# Altium PCB AMC_Box_Mainboard.PcbDoc (part 2 of 8) (continued)
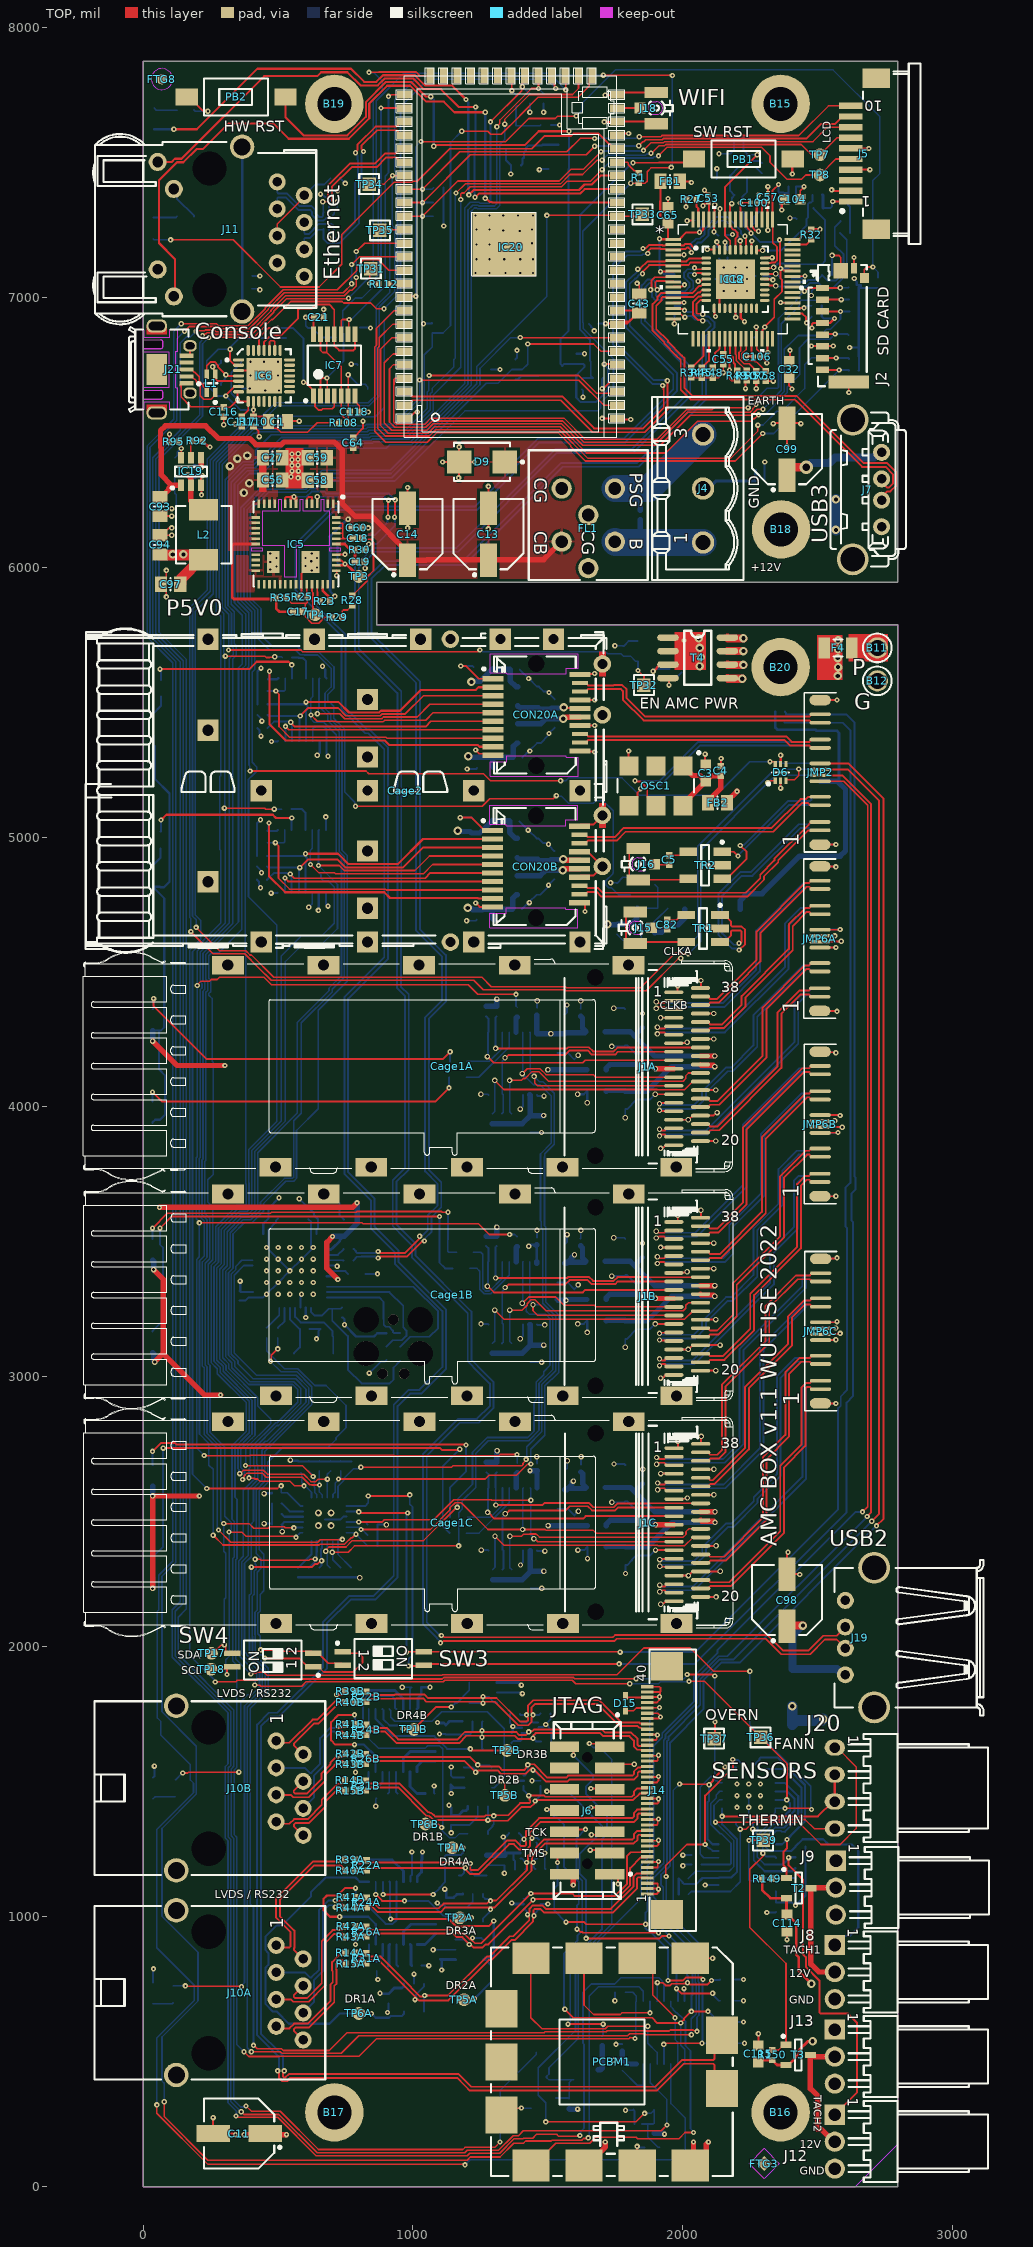
[diagram p0: TOP view]
## Footprints (in the part's own frame and the unit in brackets; to place one, negate y for a bottom-side part, rotate by r counter-clockwise, add the part's x,y. Pads: shape width x height; smd on the part's side, far side on the other; paste and mask are expansions set on the pad) (continued)
  rect 1x0.6 smd: 2(-1.15,-0.95) 3(1.15,-0.95) 4(1.15,0.95)
  silkscreen extent -1.52,-1.45 0.33,1.88, body extent -1.25,-1.5 1.25,1.5, height 1.1
SOTFL50P160X60-6N [mm] "SOTFL (SOT666), 0.50mm, Pitch; 6 Pin, 1.20mm W X 1.60mm L X 0.60mm H Body, IPC Medium Density"
  rect 0.57x0.3 smd: 1(-0.79,0.5) 2(-0.79,0) 3(-0.79,-0.5) 4(0.79,-0.5) 5(0.79,0) 6(0.79,0.5)
  silkscreen extent -1.23,-0.8 0,1.27, body extent -0.85,-0.85 0.85,0.85, height 0.6
SW_TYCO_1571983-1 [mm] "Pitch 1.27mm,  Body 3.66x6.2mm, 2 Ways SPST Surface-Mount DIP Switch, TYCO GDH Serie"
  rect 1.55x0.55 smd: 1(-3.8,0.635) 2(-3.8,-0.635) 3(3.8,-0.635) 4(3.8,0.635)
  silkscreen extent -4.42,-1.85 2.7,1.85, body extent -4.06,-1.83 4.06,1.83, height 2.36
TC2030-IDC [mm] "Tag-Connect 6-Pin with Legs (PN# TC2030-IDC-NL)"
  round 2.3 hole 2.375 unplated: 0(0,-2.54) 0(0,2.54) 0(3.175,-2.54) 0(3.175,2.54)
  round 0.991 hole 0.991 unplated: 0(0,0) 0(5.08,-1.016) 0(5.08,1.016)
  round 0.79 smd paste-0.39: 1(1.27,-0.635) 2(1.27,0.635) 3(2.54,-0.635) 4(2.54,0.635) 5(3.89,-0.635) 6(3.81,0.635)
  silkscreen extent -1.4,-3.94 5.72,3.94
TP [mm]
  round 1.2 smd: 1(0,0)
TPS127 [mil] "1.27 x  1.27mm SMD Test Point Area"
  rect 50x50 smd paste-50: 1(0,0)
  silkscreen extent -37,-37 37,37
TQFP64_10x10MC_MCH [mil]
  rect 58x11 smd paste+0 mask+0: 1(-221,147.64) 2(-221,127.95) 3(-221,108.27) 4(-221,88.58) 5(-221,68.9) 6(-221,49.21) 7(-221,29.53) 8(-221,9.84) 9(-221,-9.84) 10(-221,-29.53) 11(-221,-49.21) 12(-221,-68.9) 13(-221,-88.58) 14(-221,-108.27) 15(-221,-127.95) 16(-221,-147.64) 33(221,-147.64) 34(221,-127.95) 35(221,-108.27) 36(221,-88.58) 37(221,-68.9) 38(221,-49.21) 39(221,-29.53) 40(221,-9.84) 41(221,9.84) 42(221,29.53) 43(221,49.21) 44(221,68.9) 45(221,88.58) 46(221,108.27) 47(221,127.95) 48(221,147.64)
  rect 11x58 smd paste+0 mask+0: 17(-147.64,-221) 18(-127.95,-221) 19(-108.27,-221) 20(-88.58,-221) 21(-68.9,-221) 22(-49.21,-221) 23(-29.53,-221) 24(-9.84,-221) 25(9.84,-221) 26(29.53,-221) 27(49.21,-221) 28(68.9,-221) 29(88.58,-221) 30(108.27,-221) 31(127.95,-221) 32(147.64,-221) 49(147.64,221) 50(127.95,221) 51(108.27,221) 52(88.58,221) 53(68.9,221) 54(49.21,221) 55(29.53,221) 56(9.84,221) 57(-9.84,221) 58(-29.53,221) 59(-49.21,221) 60(-68.9,221) 61(-88.58,221) 62(-108.27,221) 63(-127.95,221) 64(-147.64,221)
  silkscreen extent -270,-270 270,270, body extent -236,-236 236,236, height 47
TYCO_5-6605308-1 [mm] "1 Port, Yellow/Green LEDs, RJ45 10/100Base-T Ethernet, Mag45 Connector Module With Integrated Magnetics"
  round 1.6 hole 0.9: 1(-4.445,-1.27) 2(-3.175,1.27) 3(-1.905,-1.27) 4(-0.635,1.27) 5(0.635,-1.27) 6(1.905,1.27) 7(3.175,-1.27) 8(4.445,1.27)
  round 2.3 hole 1.6: 9(-7.747,-4.572) 10(7.747,-4.572)
  round 1.7 hole 1: D1(-6.325,-12.522) D2(-3.785,-10.998) D3(6.325,-10.998) D4(3.785,-12.522)
  round 0.5 hole 3.2 unplated mask+1.35: M1(-5.715,-7.62) M2(5.715,-7.62)
  silkscreen extent -8.95,-18.59 8.95,2.41, body extent -8.95,-18.6 8.95,2.41, height 14.97
TYCO_292303-1 [mm] "4 Positions, Right Angle, USB Type A Receptacle"
  round 1.6 hole 0.9: 1(-3.5,0) 2(-1,0) 3(1,0) 4(3.5,0)
  round 3 hole 2.3: 5(-6.57,-2.71) 5(6.57,-2.71)
  silkscreen extent -7.31,-12.99 7.31,1.01, body extent -8.12,-12.99 8.12,1.01, height 7.66
TYCO_1551920-2 [mm] "38 Positions, Pitch 0.8mm zSFP+ Receptacle (Small Form-factor Pluggable)"
  rrect100% 1.8x0.35 smd: 1(-1.255,7) 2(-1.255,6.2) 3(-1.255,5.4) 4(-1.255,4.6) 5(-1.255,3.8) 6(-1.255,3) 7(-1.255,2.2) 8(-1.255,1.4) 9(-1.255,0.6) 10(-1.255,-0.2) 11(-1.255,-1) 12(-1.255,-1.8) 13(-1.255,-2.6) 14(-1.255,-3.4) 15(-1.255,-4.2) 16(-1.255,-5) 17(-1.255,-5.8) 18(-1.255,-6.6) 19(-1.255,-7.4) 20(1.255,-7) 21(1.255,-6.2) 22(1.255,-5.4) 23(1.255,-4.6) 24(1.255,-3.8) 25(1.255,-3) 26(1.255,-2.2) 27(1.255,-1.4) 28(1.255,-0.6) 29(1.255,0.2) 30(1.255,1) 31(1.255,1.8) 32(1.255,2.6) 33(1.255,3.4) 34(1.255,4.2) 35(1.255,5) 36(1.255,5.8) 37(1.255,6.6) 38(1.255,7.4)
  round 0.5 hole 1.55 unplated mask+0.525: MTG1(-8.625,8.4) MTG2(-8.625,-8.4)
  silkscreen extent -11.53,-9.1 0.97,9.1, body extent -11.52,-9.1 1.79,9.1, height 6.15
TYCO_1734366-1 [mm] "4 Position, Straight, USB 2.0 Type A Receptacle"
  round 1.6 hole 0.9: 1(-3.5,0) 2(-1,0) 3(1,0) 4(3.5,0)
  round 3 hole 2.3: 5(-6.57,-2.71) 5(6.57,-2.71)
  silkscreen extent -7.25,-4.82 7.25,2.3, body extent -7.9,-4.82 7.9,2.3, height 15
TYCO_1888247-1 [mm] "20 Position, Pitch 0.8mm SFP Receptacle (Small Form-factor Pluggable)"
  rect 2x0.5 smd: 1(-4.1,3.395) 2(-4.1,2.595) 3(-4.1,1.795) 4(-4.1,0.995) 5(-4.1,0.195) 6(-4.1,-0.605) 7(-4.1,-1.405) 8(-4.1,-2.205) 9(-4.1,-3.005) 10(-4.1,-3.805) 11(4.1,-3.405) 14(4.1,-1.005) 15(4.1,-0.205) 16(4.1,0.595) 17(4.1,1.395) 20(4.1,3.795)
  rect 1.5x0.4 smd: 12(4.1,-2.605) 13(4.1,-1.805) 18(4.1,2.195) 19(4.1,2.995)
  round 0.5 hole 1.55 unplated mask+0.525: MTG1(0,4.795) MTG2(0,-4.805)
  TOP keep-out lines w0.1: -4.34,-5.755 3.94,-5.755 3.94,-4.805 3.94,-3.995 2.78,-3.995 2.78,-3.855 -2.78,-3.855 -2.78,-4.395 -4.34,-4.395 -4.34,-5.755 ; -4.34,3.985 -2.78,3.985 -2.78,3.845 2.78,3.845 2.78,4.385 3.94,4.385 3.94,5.745 -4.34,5.745 -4.34,3.985
  silkscreen extent -42.4,-7.77 6.3,7.77, body extent -4.5,-5.5 4.5,5.5, height 5.22
TYCO_2007263-1 [mm] "SFP+ 1x2 Press Fit Cage with EMI Springs"
  rect 2x2 hole 1.05: 1(-30.9,14.25) 2(-20.9,14.25) 3(-10.9,14.25) 4(4.1,-14.25) 5(-5.9,-14.25) 6(-15.9,-14.25) 7(-25.9,-14.25) 8(-30.9,-8.575) 9(-30.9,5.675) 10(-15.9,8.575) 11(-15.9,3.175) 12(-15.9,-5.675) 13(-15.9,-11.075)
  round 1.65 hole 0.95: 14(-8.1,14.25) 17(6.2,11.925) 18(6.2,7.125) 19(6.2,-2.325) 20(6.2,-7.125) 21(-8.1,-14.25)
  rect 2x2 hole 0.95: 15(-3.4,14.25) 16(1.6,14.25) 22(4.1,0) 23(-5.9,0) 24(-15.9,0) 25(-25.9,0)
  TOP region: 5.9,-1.18 6.5,-1.18 6.5,-3.48 5.9,-3.48
  TOP region: 5.9,13.07 6.5,13.07 6.5,10.77 5.9,10.77
  silkscreen extent -42.4,-15.27 6.58,15.27, body extent -42.4,-15.27 6.58,15.27, height 10.6
TYCO_2170703-7 [mm] "QSFP Press Fit Cage"
  rect 3x1.75 hole 1.05: 1(-21.1,9.5) 2(-12.1,9.5) 3(-3.1,9.5) 4(5.9,9.5) 5(16.6,9.5) 6(21.1,-9.5) 7(10.4,-9.5) 8(1.4,-9.5) 9(-7.6,-9.5) 10(-16.6,-9.5)
  silkscreen extent -34.7,-10.72 26.42,10.72, body extent -34.7,-10.6 26.66,10.72, height 10.62
"WURTH_686 110 144 22" [mm] "10 Contacts, Pitch 1mm, SMT Connector, ZIF Horizontal Bottom Contact WR-FPC"
  rect 0.6x2.2 smd: 1(-4.5,0) 2(-3.5,0) 3(-2.5,0) 4(-1.5,0) 5(-0.5,0) 6(0.5,0) 7(1.5,0) 8(2.5,0) 9(3.5,0) 10(4.5,0)
  rect 1.8x2.6 smd: P1(-7.1,-2.4) P2(7.1,-2.4)
  silkscreen extent -8.5,-6.55 8.5,0.95, body extent -8.5,-6.55 8.5,0.55, height 3
XFMR_MINI-CIRCUITS_AT1521 [mm] "MINI-CIRCUITS RF Transformer, Case AT1521, Body 3.81X3.81mm"
  rect 0.76x1.65 smd: 1(-1.27,1.59) 2(0,1.59) 3(1.27,1.59) 4(1.27,-1.59) 6(-1.27,-1.59)
  silkscreen extent -2.3,-0.37 1.91,1.72, body extent -1.9,-1.9 1.91,1.91, height 4.06
XTAL_PERICOM_FL [mm] "4 Pins, 2.5x3.2mm, SMD Sealing Crystal, PERICOM FL Series"
  rect 1.2x1.5 smd: 1(-0.8,1.1) 2(-0.8,-1.1) 3(0.8,-1.1) 4(0.8,1.1)
  silkscreen extent -2.13,1.08 -1.88,1.32, body extent -1.25,-1.6 1.25,1.6, height 0.75
XTAL_TXC_7A [mm] "2 Pins, 3.2x5mm, SMD Glass Seam Sealing Crystal, 7A Serie"
  rect 1.7x2.4 smd: 1(-1.85,0) 2(1.85,0)
  silkscreen extent -2.3,-1.6 2.3,1.6, body extent -2.5,-1.6 2.5,1.6, height 1.2

## Part data
B11 B12: library part PLATED_HOLE1.5_PAD2.0, "Single Terminal Socket", Author="CERN DEM JLC", Component Type="Standard (No BOM)", ComponentHeight=0mm, CreateDate=30.10.2008, Family="Plated Hole", HelpURL=Undefined, LatestRevisionDate=30.10.2008, Mounted=No, PackageDescription="Plated Through Hole: Hole Dia.=1.5mm Pad Dia.=2.0mm, IPC-7251 Level C", Part Description="Plated Through Hole: Hole Dia.=1.5mm Pad Dia.=2.0mm, IPC-7251 Level C", Part Number=PLATED_HOLE1.5_PAD2.0, Pin Count=1, Sense=No, SMD=No, Socket=No, Status=None
B15 B16 B17 B18 B19 B20: library part PLATED_HOLE3.2_PAD5.5, "Single Terminal Socket", Author="CERN DEM JMW", Component Type="Standard (No BOM)", ComponentHeight=0mm, CreateDate=01.10.2012, Family="Plated Hole", HelpURL=Undefined, LatestRevisionDate=01.10.2012, Mounted=No, PackageDescription="Plated Through Hole: Hole Dia.=3.2mm Pad Dia.=5.5mm", Part Description="Plated Through Hole: Hole Dia.=3.2mm Pad Dia.=5.5mm", Part Number=PLATED_HOLE3.2_PAD5.5, Pin Count=1, Sense=No, SMD=No, Socket=No, Status=None
C1: library part CC0805_10UF_16V_10%_X5R, "Non-polarised capacitor", Case=0805, Manufacturer=GENERIC, Manufacturer1 ComponentHeight=1.4mm, Manufacturer1 Example=KEMET, Manufacturer1 Part Number=C0805C106K4PAC, Tolerance=±10%, Voltage=16V, Author="CERN DEM JLC", Component Type=Standard, CreateDate=03.12.2007, HelpURL=\\cern.ch\dfs\Applications\Altium\Datasheets\CC1206_X5R_KEMET.pdf, LatestRevisionDate=03.12.2007, Manufacturer Part Number=CC0805_10UF_16V_10%_X5R, Mounted=Yes, Part Description="SMD Multilayer Chip Ceramic Capacitor", Part Number=CC0805_10UF_16V_10%_X5R, Pin Count=2, Sense=No, SMD=Yes, Socket=No, Status=Preferred, TC=X5R
C2 C3 C10 C25A C25B C25C C33A C33B C33C C48A C48B: library part CC0603_1UF_25V_10%_X7R, "Non-polarised capacitor", Case=0603, Manufacturer=GENERIC, Manufacturer1 ComponentHeight=0.9mm, Manufacturer1 Example=MURATA, Manufacturer1 Part Number=GRM188R71E105KA12D, Tolerance=±10%, Voltage=25V, Author="CERN DEM JLC", Component Type=Standard, CreateDate=2011-01-18, HelpURL=\\cern.ch\dfs\Applications\Altium\Datasheets\CC0603_X7R_MURATA.pdf, LatestRevisionDate=2011-01-18, Manufacturer Part Number=CC0603_1UF_25V_10%_X7R, Mounted=Yes, Part Description="SMD Multilayer Chip Ceramic Capacitor", Part Number=CC0603_1UF_25V_10%_X7R, Pin Count=2, SMD=Yes, Socket=No, Status=None, Table="Capacitors SMD", TC=X7R
C4 C5 C6A C6B C7A C7B C8A C8B C9A C9B C18 C20 C21 C29 C30 C42 C44 C46A C46B C49A C49B C50A C50B C52A C52B C54 C60 C61 C63 C64 C67A C67B C69 C70A C70B C71A C71B C72A C72B C82 C88A C88B C92 C113 C116 C175: library part CC0402_100NF_16V_10%_X5R, "Non-polarised capacitor", Case=0402, Manufacturer=GENERIC, Manufacturer1 ComponentHeight=0.55mm, Manufacturer1 Example=MURATA, Manufacturer1 Part Number=GRM155R61C104KA88D, Tolerance=±10%, Voltage=16V, Author="CERN DEM JLC", Component Type=Standard, HelpURL=\\cern.ch\dfs\Applications\Altium\Datasheets\CC0402_X5R_MURATA_GRM.pdf, Manufacturer Part Number=CC0402_100NF_16V_10%_X5R, Mounted=Yes, Part Description="SMD Multilayer Chip Ceramic Capacitor", Part Number=CC0402_100NF_16V_10%_X5R, Pin Count=2, SMD=Yes, Socket=No, Status=None, TC=X5R
  C4 C6A C6B C7A C7B C8A C8B C9A C9B C20 C21 C46A C46B C49A C49B C50A C50B C52A C52B C54 C67A C67B C69 C70A C70B C71A C71B C72A C72B C88A C88B C113 C116 C175: CreateDate=10.12.2013, LatestRevisionDate=10.12.2013, Sense=No
  C5 C18 C29 C30 C42 C44 C60 C61 C63 C64 C82 C92: CreateDate=2013-12-10, LatestRevisionDate=2013-12-10, Table="Capacitors SMD"
C11 C13 C14 C98 C99: library part CAE660-540_100UF_16V_20%, "Polarised capacitor", Case=D, Manufacturer=PANASONIC, Manufacturer Part Number=EEEFK1C101AP, Tolerance=±20%, Voltage=16V, Author="CERN DEM JLC", Component Type=Standard, ComponentHeight=5.8mm, CreateDate=03.12.2007, HelpURL=\\cern.ch\dfs\Applications\Altium\Datasheets\CAE_PANASONIC_FK.pdf, LatestRevisionDate=05.11.2014, Mounted=Yes, Part Description="Aluminum Electrolytic SMT Capacitor", Part Number=CAE660-540_100UF_16V_20%, Pin Count=2, Sense=No, SMD=Yes, Socket=No, Status="Not Recommended"
C12 C26 C28 C31: library part CC0402_22PF_50V_5%_C0G, "Non-polarised capacitor", Case=0402, Manufacturer=GENERIC, Manufacturer1 ComponentHeight=0.55mm, Manufacturer1 Example=KEMET, Manufacturer1 Part Number=C0402C220J5GACTU, Tolerance=±5%, Voltage=50V, Author="CERN DEM JLC", Component Type=Standard, CreateDate=03/12/2007, HelpURL="\\cern.ch\dfs\Applications\Altium\Datasheets\CC0402_C0G_KEMET_(Commercial Grade).pdf", LatestRevisionDate=03/12/2007, Manufacturer Part Number=CC0402_22PF_50V_5%_C0G, Mounted=Yes, Part Description="SMD Multilayer Chip Ceramic Capacitor", Part Number=CC0402_22PF_50V_5%_C0G, Pin Count=2, Sense=No, SMD=Yes, Socket=No, Status=Preferred, TC=C0G/NP0
C15A C15B C15C C22 C23 C34A C34B C34C C35A C35B C35C C36A C36B C36C C38A C38B C38C C40A C40B C40C C53 C57 C66 C68 C78 C80 C81 C83 C100 C101 C102 C103 C105 C106 C107 C109 C110: library part CC0201_100NF_6.3V_10%_X5R, "Non-polarised capacitor", Case=0201, Manufacturer=GENERIC, Manufacturer1 ComponentHeight=0.33mm, Manufacturer1 Example=AVX, Manufacturer1 Part Number=02016D104KAT2A, Tolerance=±10%, Voltage=6.3V, Author="CERN DEM JLC", Component Type=Standard, HelpURL=\\cern.ch\dfs\Applications\Altium\Datasheets\CC0201_X5R_AVX.pdf, Manufacturer Part Number=CC0201_100NF_6.3V_10%_X5R, Mounted=Yes, Part Description="SMD Multilayer Chip Ceramic Capacitor", Part Number=CC0201_100NF_6.3V_10%_X5R, Pin Count=2, SMD=Yes, Socket=No, Status="Not Recommended", TC=X5R
  C15A C15B C15C C34A C34B C34C C35A C35B C35C C36A C36B C36C C38A C38B C38C C40A C40B C40C: CreateDate=2007-12-03, LatestRevisionDate=2007-12-03, Table="Capacitors SMD"
  C22 C23 C53 C57 C66 C68 C78 C80 C100 C101 C102 C103 C105 C106 C107 C109 C110: CreateDate=03/12/2007, LatestRevisionDate=03/12/2007, Sense=No
  C81 C83: CreateDate=03.12.2007, LatestRevisionDate=03.12.2007, Sense=No
C16A C16B C16C C37A C37B C37C C39A C39B C39C C41A C41B C41C C43 C45A C45B C47A C47B C51A C51B: library part CC0805_10UF_10V_10%_X7R, "Non-polarised capacitor", Case=0805, Manufacturer=GENERIC, Manufacturer1 ComponentHeight=1.35mm, Manufacturer1 Example=MURATA, Manufacturer1 Part Number=GRM21BR71A106KE51L, Tolerance=±10%, Voltage=10V, Author="CERN DEM JLC", Component Type=Standard, CreateDate=2012-04-30, HelpURL=\\cern.ch\dfs\Applications\Altium\Datasheets\CC0805_X7R_MURATA.pdf, LatestRevisionDate=2012-04-30, Manufacturer Part Number=CC0805_10UF_10V_10%_X7R, Mounted=Yes, Part Description="SMD Multilayer Chip Ceramic Capacitor", Part Number=CC0805_10UF_10V_10%_X7R, Pin Count=2, SMD=Yes, Socket=No, Status=Preferred, Table="Capacitors SMD", TC=X7R
C17 C24 C73 C111 C112: library part CC0402_1NF_50V_10%_X7R, "Non-polarised capacitor", Case=0402, Manufacturer=GENERIC, Manufacturer1 ComponentHeight=0.55mm, Manufacturer1 Example=PHYCOMP, Manufacturer1 Part Number=223858715623, Tolerance=±10%, Voltage=50V, Author="CERN DEM JLC", Component Type=Standard, CreateDate=03.12.2007, HelpURL=\\cern.ch\dfs\Applications\Altium\Datasheets\CC0402_X7R_PHYCOMP.pdf, LatestRevisionDate=03.12.2007, Manufacturer Part Number=CC0402_1NF_50V_10%_X7R, Mounted=Yes, Part Description="SMD Multilayer Chip Ceramic Capacitor", Part Number=CC0402_1NF_50V_10%_X7R, Pin Count=2, Sense=No, SMD=Yes, Socket=No, Status="Not Recommended", TC=X7R
C19: library part CC0402_12PF_50V_5%_C0G, "Non-polarised capacitor", Case=0402, Manufacturer=GENERIC, Manufacturer1 ComponentHeight=0.55mm, Manufacturer1 Example=KEMET, Manufacturer1 Part Number=C0402C120J5GACTU, Tolerance=±5%, Voltage=50V, Author="CERN DEM JLC", Component Type=Standard, CreateDate=04.10.2016, HelpURL="\\cern.ch\dfs\Applications\Altium\Datasheets\CC0805_C0G_KEMET_(Commercial Grade).pdf", LatestRevisionDate=04.10.2016, Manufacturer Part Number=CC0402_12PF_50V_5%_C0G, Mounted=Yes, Part Description="SMD Multilayer Chip Ceramic Capacitor", Part Number=CC0402_12PF_50V_5%_C0G, Pin Count=2, Sense=No, SMD=Yes, Socket=No, Status=Preferred, TC=C0G/NP0
C27 C56 C58 C59 C93 C94 C97: library part CC0805_22UF_25V_20%_X5R, "Non-polarised capacitor", Case=0805, Manufacturer=GENERIC, Manufacturer1 ComponentHeight=1.45mm, Manufacturer1 Example=MURATA, Manufacturer1 Part Number=GRM21BR61E226ME44, Tolerance=±20%, Voltage=25V, Author="CERN DEM WB", Component Type=Standard, ComponentHeight=1.45mm, CreateDate=08.10.2021, HelpURL=\\cern.ch\dfs\Applications\Altium\Datasheets\CC0805_MURATA_GRM21BR61E226ME44.pdf, LatestRevisionDate=08.10.2021, Manufacturer Part Number=CC0805_22UF_25V_20%_X5R, Mounted=Yes, Part Description="Chip Multilayer Ceramic Capacitor for General Purpose", Part Number=CC0805_22UF_25V_20%_X5R, Pin Count=2, Sense=No, SMD=Yes, Socket=No, Status=Preferred, TC=X5R
C32 C65 C79 C104 C108: library part CC0603_10UF_16V_20%_X5R, "Non-polarised capacitor", Case=0603, Manufacturer=GENERIC, Manufacturer1 ComponentHeight=0.8mm, Manufacturer1 Example=MURATA, Manufacturer1 Part Number=GRM188R61C106MA73D, Tolerance=±20%, Voltage=16V, Author="CERN DEM MR", Component Type=Standard, CreateDate=02/03/2016, HelpURL=\\cern.ch\dfs\Applications\Altium\Datasheets\CC0603_X5R_MURATA_GRM.pdf, LatestRevisionDate=02/03/2016, Manufacturer Part Number=CC0603_10UF_16V_20%_X5R, Mounted=Yes, Part Description="SMD Multilayer Chip Ceramic Capacitor", Part Number=CC0603_10UF_16V_20%_X5R, Pin Count=2, Sense=No, SMD=Yes, Socket=No, Status=None, TC=X5R
C55 C117 C118: library part CC0402_1UF_16V_10%_X5R, "Non-polarised capacitor", Case=0402, Manufacturer=GENERIC, Manufacturer1 ComponentHeight=0.55mm, Manufacturer1 Example=TDK, Manufacturer1 Part Number=C1005X5R1C105KT, Tolerance=±10%, Voltage=16V, Author="CERN DEM JLC", Component Type=Standard, HelpURL=\\cern.ch\dfs\Applications\Altium\Datasheets\CC0402_X5R_TDK_C.pdf, Manufacturer Part Number=CC0402_1UF_16V_10%_X5R, Mounted=Yes, Part Description="SMD Multilayer Chip Ceramic Capacitor", Part Number=CC0402_1UF_16V_10%_X5R, Pin Count=2, Sense=No, SMD=Yes, Socket=No, Status=Preferred, TC=X5R
  C55: CreateDate=25/10/2012, LatestRevisionDate=25/10/2012
  C117 C118: CreateDate=25.10.2012, LatestRevisionDate=25.10.2012
C114 C115: library part CC0603_1UF_16V_10%_X7R, "Non-polarised capacitor", Case=0603, Manufacturer=GENERIC, Manufacturer1 ComponentHeight=0.87mm, Manufacturer1 Example=PHYCOMP, Manufacturer1 Part Number=223824613663, Manufacturer Part Number=CC0603_1uF_16V_10%_X7R, Tolerance=±10%, Voltage=16V, Author="CERN DEM JLC", Component Type=Standard, CreateDate=12/3/2007, HelpURL=\\cern.ch\dfs\Applications\Altium\Datasheets\CC0805_X5R_PHYCOMP_HC.pdf, LatestRevisionDate=12/3/2007, Mounted=Yes, Part Description="SMD Multilayer Chip Ceramic Capacitor", Part Number=CC0603_1UF_16V_10%_X7R, Pin Count=2, SMD=Yes, Socket=No, Status=Preferred, Table="Capacitors SMD", TC=X7R
Cage1A Cage1B Cage1C: library part TYCO_2170703-7, "QSFP 1x1 Cage (10Pins)", Manufacturer="TYCO ELECTRONICS", Manufacturer Part Number=2170703-7, Author="CERN DEM HF", Component Type=Standard, ComponentHeight=9.7mm, CreateDate=11.02.2022, Family=QSFP, HelpURL=\\cern.ch\dfs\Applications\Altium\Datasheets\TYCO_2170703-7.pdf, LatestRevisionDate=11.02.2022, Mounted=Yes, Part Description="1x1 Through Bezel Cage with EMI Spring Finger For Use with QSFP Connector (Quad Small Form-factor Pluggable)", Part Number=TYCO_2170703-7, Pin Count=10, PressFit=Yes, Sense=No, SMD=No, Socket=No, Status=None
Cage2: library part TYCO_2007263-1, "SFP 1x2 Cage (25Pins)", Manufacturer="TYCO ELECTRONICS", Manufacturer Part Number=2007263-1, Author="CERN DEM JLC", Component Type=Standard, ComponentHeight=9.7mm, CreateDate=18.01.2017, Family=SFP+, HelpURL=\\cern.ch\dfs\Applications\Altium\Datasheets\TYCO_2007263-1.pdf, LatestRevisionDate=18.01.2017, Mounted=Yes, Part Description="1x2 Press Fit SFP+ Cage with EMI Springs", Part Number=TYCO_2007263-1, Pin Count=25, PressFit=Yes, Sense=No, SMD=No, Socket=No, Status=None
CON20A CON20B: library part TYCO_1888247-1, "20 Position SFP+ Connector (Small Form-factor Pluggable)", Manufacturer="TYCO ELECTRONICS", Author="CERN DEM JLC", Component Type=Standard, ComponentHeight=5.4mm, CreateDate=2012-02-27, Family=SFP+, HelpURL=\\cern.ch\dfs\Applications\Altium\Datasheets\TYCO_1888247-1.pdf, LatestRevisionDate=2012-02-27, Manufacturer Part Number=1888247-1, Mounted=Yes, Part Description="20 Position, Pitch 0.8mm SFP+  Receptacle (Small Form-factor Pluggable)", Part Number=TYCO_1888247-1, Pin Count=20, SMD=Yes, Socket=No, Status=None, Table=TYCO
D1 D5 D10 D12 D13 D14 D21: "Diode Schottky  Anode Pin 1 Cathode Pin 3 (Pas de pin 2)", Case=SOT23-3, Manufacturer="FAIRCHILD SEMICONDUCTOR", Power=200mA, Voltage=30V, Author="CERN DEM JLC", Component Type=Standard, ComponentHeight=1.30mm, CreateDate=2009-09-17, Device=BAT54, HelpURL=\\cern.ch\dfs\Applications\Altium\Datasheets\BAT54.pdf, LatestRevisionDate=2010-05-27, Manufacturer Part Number=BAT54, Mounted=Yes, PackageDescription="SOT23 3-Leads, Pitch 0.95mm - Body 1.3x2.9mm, IPC Medium Density", Part Description="Single Small Signal Schottky Diode", Part Number=BAT54, Pin Count=3, SMD=Yes, Socket=No, Table=Diodes
D3A D3B D4A D4B: library part NUP4114UPXV6T1G, Part Number=NUP4114UPXV6T1G
D6 D7: Manufacturer="ON SEMICONDUCTOR", Voltage=5.5V, Author="CERN DEM JLC", Bonding=No, Component Type=Standard, ComponentHeight=1.75mm, CreateDate=05.12.2012, Device=NUP4114UPXV6T1G, HelpURL=\\cern.ch\dfs\Applications\Altium\Datasheets\NUP4114UPXV6T1G.pdf, LatestRevisionDate=05.12.2012, Manufacturer Part Number=NUP4114UPXV6T1G, Mounted=Yes, PackageDescription="SOTFL (SOT666, SOT563,), 0.50mm, Pitch; 6 Pin, 1.20mm W X 1.60mm L X 0.60mm H Body, IPC Medium Density", Part Description="ESD Protection Diodes Array (8kV) with Low Clamping Voltage", Part Number=NUP4114UPXV6T1G, Pin Count=8, PressFit=No, Sense=No, SMD=Yes, Socket=No
D9: "Zener Diode", Case=DO-214AA, Manufacturer="FAIRCHILD SEMICONDUCTOR", Power=600W, Voltage=12V, Author="CERN DEM JLC", Bonding=No, Component Type=Standard, ComponentHeight=2.65mm, CreateDate=10.04.2013, Device=SMBJ12A, HelpURL=\\cern.ch\dfs\Applications\Altium\Datasheets\SMBJ.pdf, LatestRevisionDate=10.04.2013, Manufacturer Part Number=SMBJ12A, Mounted=Yes, PackageDescription="DO-214-AA/SMB Diode, Molded Body; 5.34mm L X 3.625mm W X 2.65mm H, IPC Medium Density", Part Description="Uni-Directional Transient Voltage Suppressor Diode", Part Number=SMBJ12A, Pin Count=2, PressFit=No, Sense=No, SMD=Yes, Socket=No
D11: "Ultra Low Capacitance Double Rail-to-Rail ESD Protection Diode", Case=SOT143B, Manufacturer="NXP SEMICONDUCTORS", Voltage=5.5V, Author="CERN DEM JLC", Bonding=No, Component Type=Standard, ComponentHeight=1.1mm, CreateDate=2011-03-22, Device=PRTR5V0U2X, HelpURL=\\cern.ch\dfs\Applications\Altium\Datasheets\PRTR5V0U2X.pdf, LatestRevisionDate=2011-03-22, Manufacturer Part Number=PRTR5V0U2X, Mounted=Yes, PackageDescription="SOT143B, SOT, 1.90mm Pitch; 4 Pin, 1.30mm W X 2.90mm L X 1.10mm H body, IPC Medium Density", Part Description="Ultra Low Capacitance (1pF) Double Rail-to-Rail ESD Protection Diode (8kV)", Part Number=PRTR5V0U2X, Pin Count=4, PressFit=No, SMD=Yes, Socket=No, Table=Diodes
D15 D16 D17 D18 D19 D20: "ESD protection diode", Case=SOD523, Manufacturer="NXP SEMICONDUCTORS", Manufacturer Part Number=ESD8351XV2T1G, Power=330W, Voltage=3V3, Author="CERN DEM JLC", Bonding=No, Component Type=Standard, ComponentHeight=0.65mm, CreateDate=29.11.2012, Device=PESD3V3S1UB, HelpURL=\\cern.ch\dfs\Applications\Altium\Datasheets\PESD3V3S1UB.pdf, LatestRevisionDate=29.11.2012, Mounted=Yes, PackageDescription="Ultra Small Outline Diode Flat Lead (SOD-523), Body; 1.2mm L X 0.8mm W X 0.65mm H, IPC Medium Density", Part Description="ESD protection diode (23kV)", Part Number=PESD3V3S1UB, Pin Count=2, PressFit=No, Sense=No, SMD=Yes, Socket=No
F1 F2 F3: library part FUSR1812_LITTELFUSE_1812L200/12, "Fuse", Manufacturer=LITTELFUSE, Manufacturer Part Number=1812L200/12DR, Author="CERN DEM BC", Component Type=Standard, ComponentHeight=1.2mm, CreateDate=23.03.2021, Family="Fuses Resettable", HelpURL=\\cern.ch\dfs\Applications\Altium\Datasheets\FUSR_LITTELFUSE_1812L.pdf, LatestRevisionDate=23.03.2021, Mounted=Yes, PackageDescription="Surface Mount POLY-FUSE® Resettable PTC, Body 4.55x3.24mm, 1812L Series", Part Description="POLYFUSE® Surface Mount Resettable PTC", Part Number=FUSR1812_LITTELFUSE_1812L200/12, Pin Count=2, PressFit=No, Sense=No, SMD=Yes, Socket=No
F4: library part FUSE_SCHURTER_3413.0328.22, "Fuse", Case=1206, Manufacturer=SCHURTER, Manufacturer Part Number=3413.0328.22, Author="CERN DEM BC", Component Type=Standard, ComponentHeight=0.6mm, CreateDate=15.11.2019, Family=Fuse, HelpURL=\\cern.ch\dfs\Applications\Altium\Datasheets\FUSE_SCHURTER_UST1206.pdf, LatestRevisionDate=15.11.2019, Mounted=Yes, PackageDescription="Chip Fuse, 2-Leads, Body 3.2mm x 1.6mm x 0.6mm", Part Description="SMD Fuse, Time-Lag T, UST 1206 Series", Part Number=FUSE_SCHURTER_3413.0328.22, Pin Count=2, PressFit=No, Sense=No, SMD=Yes, Socket=No
FB1 FB2 FB3A FB3B FB3C FB4A FB4B FB4C FB5A FB5B FB6A FB6B FB7A FB7B FB7C: library part IND0805_MURATA_BLM21PG221SN1D, "Inductor", Case=0805, Manufacturer=MURATA, Manufacturer Part Number=BLM21PG221SN1D, Power=2A, Resistance=0.05R, Tolerance=±25%, Author="CERN DEM JLC", Component Type=Standard, ComponentHeight=1.05mm, CreateDate=2010-01-25, HelpURL=\\cern.ch\dfs\Applications\Altium\Datasheets\IND0402_MURATA_BLM21P.pdf, LatestRevisionDate=2010-01-25, Mounted=Yes, Part Description="SMD EMIFIL Suppression Chip Ferrite Bead", Part Number=IND0805_MURATA_BLM21PG221SN1D, Pin Count=2, SMD=Yes, Socket=No, Status=None, Table="Inductors SMD"
FL1: library part FIL_MURATA_BNX016-01, "Block Type EMIFIL (LC Combined) SMD Type, BNX01* Serie", Manufacturer=MURATA, Manufacturer Part Number=BNX016-01, Author="CERN DEM JLC", Component Type=Standard, ComponentHeight=8.5mm, CreateDate=20.01.2014, HelpURL=\\cern.ch\dfs\Applications\Altium\Datasheets\FIL_MURATA_BNX016-01.pdf, LatestRevisionDate=20.01.2014, Mounted=Yes, Part Description="Block Type EMIFIL (LC Combined), BNX01* Series", Part Number=FIL_MURATA_BNX016-01, Pin Count=6, Sense=No, SMD=No, Socket=No
FTG3 FTG6: library part FIDUCIAL_TARGET_S100-200, "Fiducial Target", Author="CERN DEM JLC", Component Type="Standard (No BOM)", ComponentHeight=0mm, CreateDate=09.02.2010, Family=Fiducial, HelpURL=Undefined, LatestRevisionDate=04.04.2012, Mounted=No, PackageDescription="Square Fiducial Target, Top Layer, 1.0mm, Top Solder 2.0mm, Keepout =2.0mm", Part Description="Square Fiducial Target, Top Layer, 1.0mm, Top Solder 2.0mm, Keepout =2.0mm", Part Number=FIDUCIAL_TARGET_S100-200, Pin Count=1, Sense=No, SMD=Yes, Socket=No, Status=None
FTG4 FTG8: library part FIDUCIAL_TARGET_C100-200, "Fiducial Target", Author="CERN DEM JLC", Component Type="Standard (No BOM)", ComponentHeight=0mm, CreateDate=09.02.2010, Family=Fiducial, HelpURL=Undefined, LatestRevisionDate=04.04.2012, Mounted=No, PackageDescription="Round Fiducial Target, Top Layer, 1.0mm, Top Solder 2.0mm, Keepout =2.0mm", Part Description="Round Fiducial Target, Top Layer, 1.0mm, Top Solder 2.0mm, Keepout =2.0mm", Part Number=FIDUCIAL_TARGET_C100-200, Pin Count=1, Sense=No, SMD=Yes, Socket=No, Status=None
IC1: "2-Channel Temperature Monitor with Dual, Automatic, PWM Fan-Speed Controller", Case=SSOP16, Manufacturer=MAXIM, Author="CERN DEM JLC", Component Type=Standard, ComponentHeight=1.75mm, CreateDate=2012-08-15, Device=MAX6639AEE+, HelpURL=\\cern.ch\dfs\Applications\Altium\Datasheets\MAX6639AEE+.pdf, LatestRevisionDate=2012-08-15, Manufacturer Part Number=MAX6639AEE+, Mounted=Yes, PackageDescription="SOP, 0.635mm pitch; 16 pin, 3.9mm W X 4.895mm L X 1.75mm H Body, IPC Medium Density", Part Description="2-Channel Temperature Monitor with Dual, Automatic, PWM Fan-Speed Controller", Part Number=MAX6639AEE+, Pin Count=16, SMD=Yes, Socket=No, Table="Analog & Interface"
IC2A IC2B IC4A IC4B: "High-Speed Differential Line Receiver", Case=SOT23-5, Manufacturer="TEXAS INSTRUMENTS", Author="CERN DEM JLC", Bonding=No, Component Type=Standard, ComponentHeight=1.45mm, CreateDate=03.03.2011, Device=SN65LVDS2DBVR, HelpURL=\\cern.ch\dfs\Applications\Altium\Datasheets\SN65LVDS2DBVR.pdf, LatestRevisionDate=22.09.2011, Manufacturer Part Number=SN65LVDS2DBVR, Mounted=Yes, PackageDescription="SOT, 0.95mm pitch; 5 pin, 1.60mm W X 2.90mm L X 1.45mm H body, IPC Medium Density", Part Description="High-Speed Differential Line Receiver", Part Number=SN65LVDS2DBVR, Pin Count=5, PressFit=No, Sense=No, SMD=Yes, Socket=No
IC3A IC3B IC14A IC14B IC14C: "8-Bit I2C-Bus and SMBus Low Power I/O Port with Interrupt", Case=SSOP16, Manufacturer="ANALOG DEVICES", Author="CERN DEM JLC", Bonding=No, Component Type=Standard, ComponentHeight=1.1mm, CreateDate=2013-12-18, Device=PCA9534PW, HelpURL=\\cern.ch\dfs\Applications\Altium\Datasheets\PCA9534PW.pdf, LatestRevisionDate=2013-12-18, Manufacturer Part Number=PCA9534PW, Mounted=Yes, PackageDescription="SOP, 0.65mm pitch; 16 pin, 4.40mm W X 5.00mm L X 1.10mm H body IPC Medium Density", Part Description="8-Bit I2C-Bus and SMBus Low Power I/O Port with Interrupt", Part Number=PCA9534PW, Pin Count=16, PressFit=No, SMD=Yes, Socket=No, Table="Analog & Interface"
IC5: "0.8V to 85% PVIN (4.75-19V), 6A Synchronous Step-Down Regulator Module", Manufacturer="MICROCHIP TECHNOLOGY", Author="CERN DEM JMW", Bonding=No, Component Type=Standard, ComponentHeight=3mm, CreateDate=15.08.2016, Device=MIC45116-1YMP, HelpURL=\\cern.ch\dfs\Applications\Altium\Datasheets\MIC45116-1YMP.pdf, LatestRevisionDate=15.08.2016, Manufacturer Part Number=MIC45116-1YMP, Mounted=Yes, PackageDescription="MICROCHIP_H3QFN88-52LD-PL-3, 0.50mm Pitch, Square, 52 Pin, 8mm L X 8mm W X 3mm H Body", Part Description="0.8V to 85% PVIN (4.75-19V), 6A Synchronous Step-Down Regulator Module", Part Number=MIC45116-1YMP, Pin Count=53, PressFit=No, Sense=No, SMD=Yes, Socket=No
IC6: "Single-Chip USB to UART Bridge", Case=QFN28, Manufacturer="SILICON LABS", Author="CERN DEM JLC", Component Type=Standard, ComponentHeight=1.0mm, CreateDate=2011-03-03, Device=CP2102-GM, HelpURL=\\cern.ch\dfs\Applications\Altium\Datasheets\CP2102-GM.pdf, LatestRevisionDate=2011-03-03, Manufacturer Part Number=CP2102-GM, Mounted=Yes, PackageDescription="QFN, 0.50mm Pitch, Square; 28 pin, 5.00mm L X 5.00mm W X 1.00mm H body (w/thermal tab 3.35 X 3.35mm),  IPC Medium Density", Part Description="Single-Chip USB to UART Bridge", Part Number=CP2102-GM, Pin Count=29, SMD=Yes, Socket=No, Table="Analog & Interface"
IC7: Case=TSSOP14, Manufacturer="NXP SEMICONDUCTORS", Author="CERN DEM JLC", Bonding=No, Component Type=Standard, ComponentHeight=1.1mm, CreateDate=19.11.2014, Device=74HC4066PW, HelpURL=\\cern.ch\dfs\Applications\Altium\Datasheets\74HC4066PW.pdf, LatestRevisionDate=19.11.2014, Manufacturer Part Number=74HC4066PW, Mounted=Yes, PackageDescription="SOP, 0.65mm Pitch; 14 Pin, 4.40mm W X 5.00mm L X 1.20mm H body, IPC Medium Density", Part Description="Quad Single-Pole Single-Throw Analog Switch", Part Number=74HC4066PW, Pin Count=14, PressFit=No, Sense=No, SMD=Yes, Socket=No
IC8: library part CMP-2000-05217-1, "USB 2.0 High-Speed Hub Controller, 4 Ports, 3 to 3.6 V, 0 to 85 degC, 36-Pin QFN, RoHS, Tray", Current - Supply=70mA, Manufacturer=Microchip, Operating Temperature=-, Package / Case=36-VFQFNExposedPad, Standard Package=490, Supplier Device Package=36-QFN(6x6), Voltage - Supply=3V~3.6V, Category=IntegratedCircuits(ICs), Datasheet URL=http://ww1.microchip.com/downloads/en/DeviceDoc/00001692C.pdf, Datasheet Version="DS00001692C, 10/2015", Family=Interface-Controllers, Function=-, Interface=I²CEEPROM,SMBus(2-Wire,I²C), Manufacturer URL=http://www.microchip.com/, Other Names=638-1122, Packaging=Tray, Protocol=-, Series=-, Standards=-
IC9: library part CMP-0253-00500-2, "2-Channel Temperature Monitor with Dual, Automatic, PWM Fan-Speed Controller, -40 to 125 degC, 16-Pin QFN (T1655-3)", Generic Part Number=MAX6639, Code_JEDEC=MO220, ComponentLink1Description="Manufacturer URL", ComponentLink1URL=http://www.maximintegrated.com/, ComponentLink2Description=Datasheet, ComponentLink2URL=http://datasheets.maximintegrated.com/en/ds/MAX6639-MAX6639F.pdf, ComponentLink3Description="Package Specification", ComponentLink3URL=http://pdfserv.maximintegrated.com/package_dwgs/21-0140.PDF, DatasheetVersion="Rev. 2", Fan Cntrl.=PWM, Fan Controller Functions="Remote & Local Sensor", Interface=2-Wire/I2C/SMBus, Mounting Technology="Surface Mount", PackageDescription="16-Pin Thin Quad Flatpack, No Leads, Body 5 x 5 mm, Pitch 0.8 mm", PackageReference=T1655-3, PackageVersion="Rev. Q, 09/2011", PartNumber=MAX6639ATE